# Altium PCB MeasureV3.PcbDoc (continued)
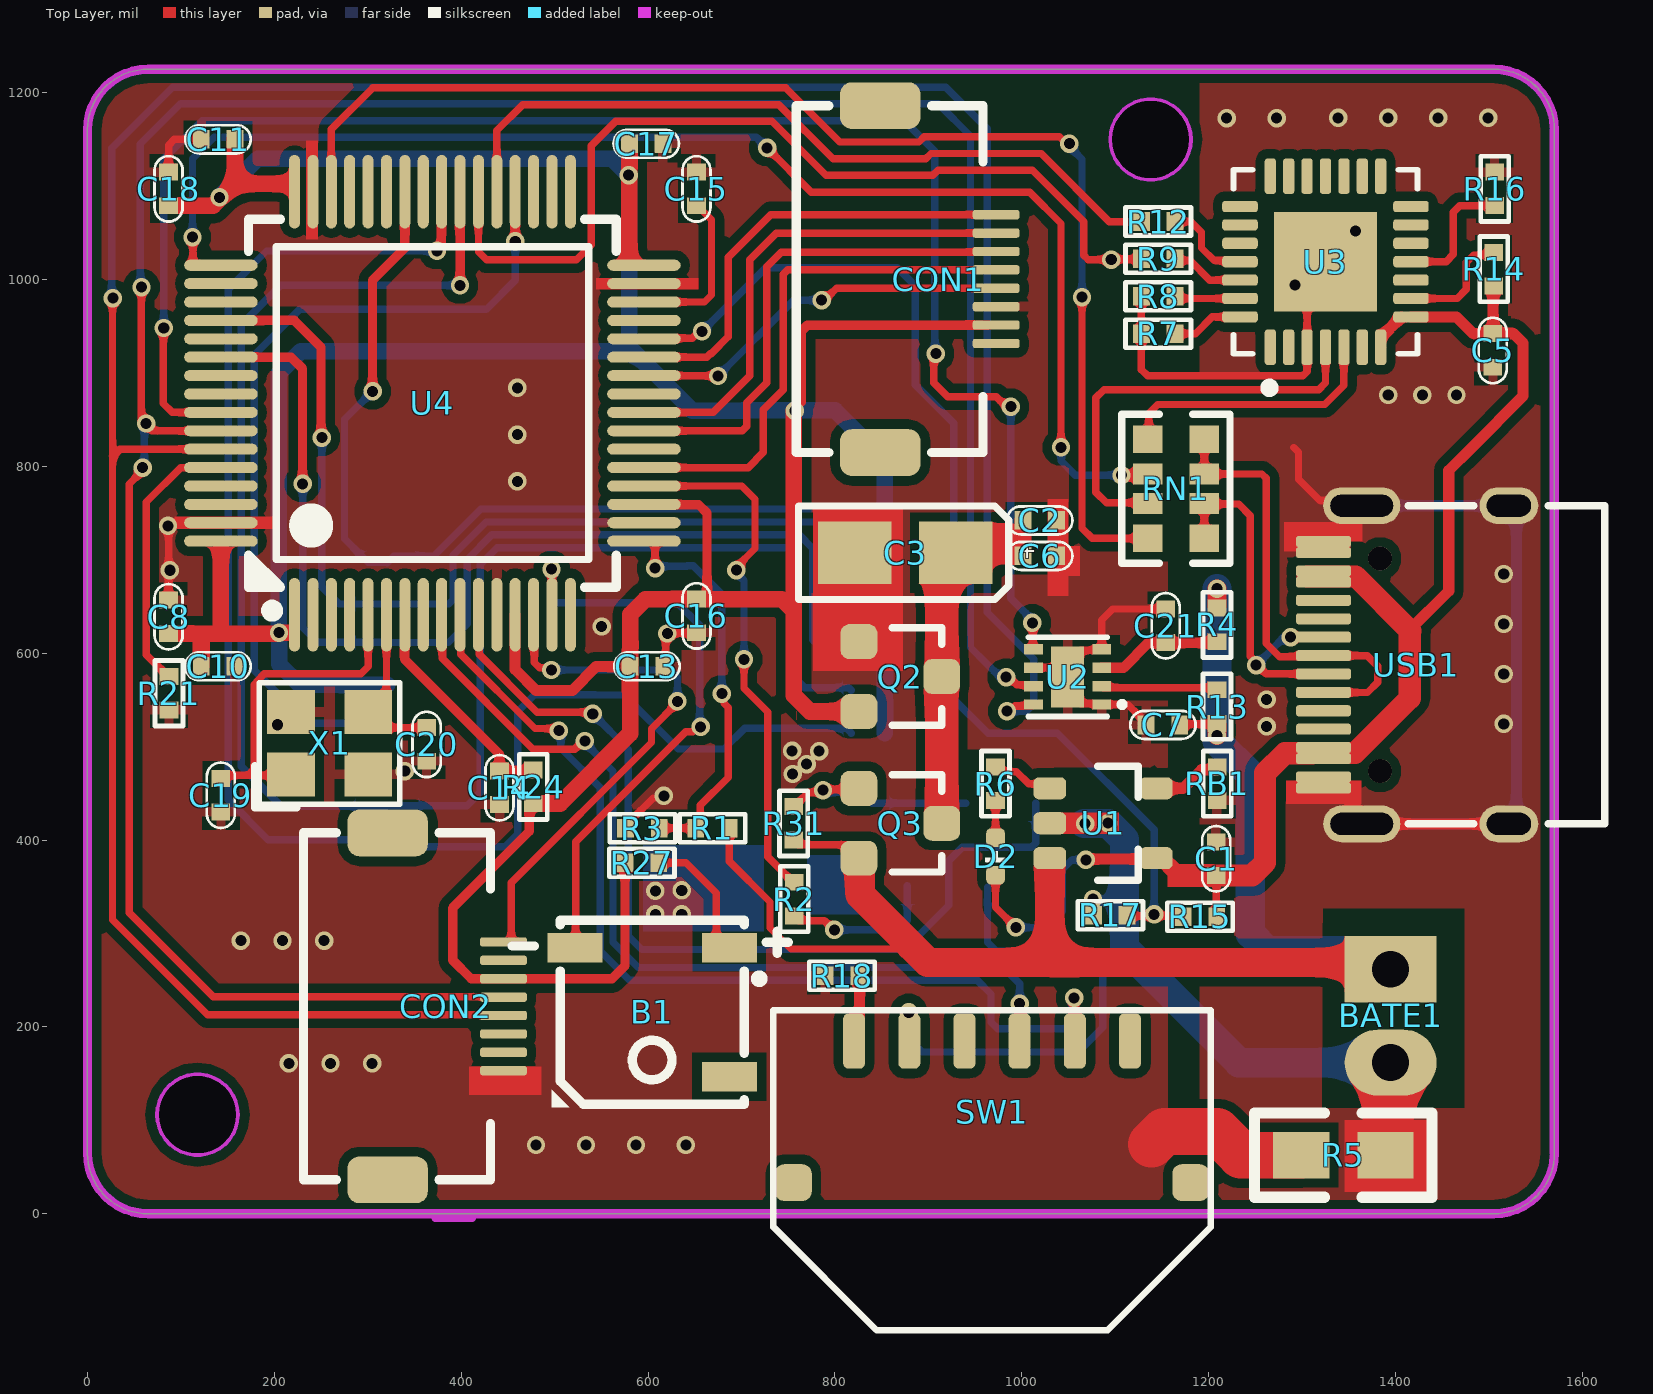
[diagram p0: Top Layer view]
## Footprints (in the part's own frame and the unit in brackets; to place one, negate y for a bottom-side part, rotate by r counter-clockwise, add the part's x,y. Pads: shape width x height; smd on the part's side, far side on the other; paste and mask are expansions set on the pad) (continued)
  rect 110.24x106.3 smd: 29(0,0)
  silkscreen extent -98,-140 98,98, body extent -98,-98 98,98, height 35
SOT23-5_S [mil]
  rrect50% 35x23.62 smd: 1(57,-37.4) 2(57,0) 3(57,37.4) 4(-57,37.4) 5(-57,-37.4)
  silkscreen extent -37,-61 6,61, body extent -54,-57 56,57, height 47
SOT23_ [mm] "Surface mount NPN transistor, package SOT-23"
  rrect50% 0.95x1 smd: 1(-0.95,-1.125) 2(0.95,-1.125) 3(0,1.125)
  silkscreen extent -1.33,-0.22 1.32,1.13, body extent -1.45,-1.4 1.45,1.4, height 1.3
TAJ-A/3216 [mm]
  rect 2x1.7 smd: 1(0.047,0) 2(2.794,0)
  silkscreen extent -1.4,-1.27 4.32,1.27, body extent -0.2,-0.8 3,0.8, height 1.6
TF_Card [mm]
  rrect50% 1.75x0.7 smd: 1(5.4,3.188) 2(5.4,2.088) 3(5.4,0.988) 4(5.4,-0.112) 5(5.4,-1.212) 6(5.4,-2.312) 7(5.4,-3.413) 8(5.4,-4.513)
  rrect50% 1.55x1 smd: 9(-5.4,5.563)
  rrect50% 1x1.45 smd: 10(-3.825,-5.637)
  rrect50% 1.5x1.5 smd: S1(5.275,5.637)
  rrect50% 1.5x1.016 smd: S2(5.275,-5.839)
  rrect50% 1.4x0.8 smd: S3(-2.975,5.963)
  rrect50% 1.5x0.8 smd: S4(-2.325,-5.963)
  silkscreen extent -5.67,-5.99 4.21,5.96, body extent -5.66,-5.96 10.98,6.04, height 1.69
TYPE-C-16P-T [mm]
  round 0.65 hole 0.65: 0(-0.98,-2.89) 0(-0.98,2.89)
  oval 1.6x1 hole 0.6 slot 1.2 at 0 deg: 1(2.52,4.325) 2(2.52,-4.325)
  oval 2.1x1 hole 0.6 slot 1.7 at 0 deg: 3(-1.48,-4.325) 4(-1.48,4.325)
  rrect50% 1.5x0.3 smd: A1(-2.52,-3.35) A4(-2.52,-2.55) A5(-2.52,-1.25) A6(-2.52,-0.25) A7(-2.52,0.25) A8(-2.52,1.25) A9(-2.52,2.55) A12(-2.52,3.35) B1(-2.52,3.05) B4(-2.52,2.25) B5(-2.52,1.75) B6(-2.52,0.75) B7(-2.52,-0.75) B8(-2.52,-1.75) B9(-2.52,-2.25) B12(-2.52,-3.05)
  silkscreen extent -0.22,-4.33 5.12,4.33, body extent -2.78,-4.47 5.12,4.47, height 3.11
WHEEL_SWITCH [mm]
  rrect50% 1x1 smd paste+0 mask+0.102: a(5.401,3.846) ""(-5.401,3.846)
  rrect50% 0.6x1.5 smd paste+0 mask+0.102: b(3.75,0) c(2.25,0) d(0.75,0) e(-0.75,0) f(-2.25,0) g(-3.75,0)
  silkscreen extent -5.94,-0.84 5.94,7.86, body extent -7.21,-0.28 7.21,11.81, height 3
XH2/2.54mm/180 [mm]
  rect 1.8x2.5 hole 1: 1(0,0)
  oval 1.8x2.5 hole 1: 2(2.54,0)

## Part data
B1: "蜂鸣器"
BATE1: library part Battery, "Multicell Battery", LatestRevisionDate=17-Jul-2002, LatestRevisionNote="Re-released for DXP Platform.", PackageReference=BAT-2, Published=24-Mar-1999, Publisher="Altium Limited"
C1 C2 C5: library part Cap, "Capacitor", LatestRevisionDate=17-Jul-2002, LatestRevisionNote="Re-released for DXP Platform.", PackageReference=RAD-0.3, Published=8-Jun-2000, Publisher="Altium Limited"
C3: library part "Cap Pol3", "Polarized Capacitor (Surface Mount)", LatestRevisionDate=29-May-2009, LatestRevisionNote="IPC-7351 Footprint Added.", PackageDescription="Chip Capacitor", PackageReference=C0805, Published=8-Jun-2000, Publisher="Altium Limited"
C6 C7 C8 C10 C11 C13 C14 C15 C16 C17 C18 C19 C20 C21: library part C103
CON1 CON2: "FFC", System=Connector
D2: library part LED0, "Typical INFRARED GaAs LED", LatestRevisionDate=08-Jul-2005, LatestRevisionNote="Mech Layer 1 removed.", PackageReference=LED-0, Published=8-Jun-2000, Publisher="Altium Limited"
D3: BOM_JLCPCB Part Class="Extended Part", BOM_Manufacturer="Slkor(SLKORMICRO Elec.)", BOM_Manufacturer Part=BAT54C, BOM_Supplier=LCSC, BOM_Supplier Part=C556168, Contributor=LCSC, spicePre=D, spiceSymbolName=BAT54C_C556168
J1: "10 _8 + 2_ Position Card Connector Secure Digital - microSDâ„¢ Surface Mount, Right Angle Gold", Package=None, Availability=Unavailable, MF="Amphenol Commercial Products", MP=1140084168, Price=None, SnapEDA_Link=https://www.snapeda.com/parts/1140084168/Amphenol/view-part/4544529/?ref=snap
Q2: library part XC6206_3.3
Q3: library part MOSFET-P, "P-Channel MOSFET", LatestRevisionDate=17-Jul-2002, LatestRevisionNote="Re-released for DXP Platform.", PackageReference=E3, PackageVersion=1995/1996, Published=8-Jun-2000, Publisher="Altium Limited"
Q4: library part N-MOS, "N沟道场效应管"
R1 R3 R6 R7 R8 R9 R12 R14 R15 R16 R17 R18 R21 R27 R31 RB1: library part Res2, "Resistor", LatestRevisionDate=17-Jul-2002, LatestRevisionNote="Re-released for DXP Platform.", PackageReference=AXIAL-0.4, Published=8-Jun-2000, Publisher="Altium Limited"
R2 R4 R5 R13 R24: library part R10K
R10 R11 R25 R28 R29: library part 电阻-0402, "Resistor"
RN1: BOM_JLCPCB Part Class="Extended Part", BOM_Manufacturer=RALEC, BOM_Manufacturer Part=RTA03-4D510JTP, Resistance (Ohms)=51, BOM_Supplier=LCSC, BOM_Supplier Part=C102676, nameAlias=Resistance, spicePre=R, spiceSymbolName=RTA03-4D510JTP
SW1: BOM_JLCPCB Part Class="Extended Part", BOM_Manufacturer="XKB Enterprise", BOM_Manufacturer Part=TM-2103, BOM_Supplier=LCSC, BOM_Supplier Part=C318947, Contributor=LCSC, spicePre=S, spiceSymbolName=TM-2103
U2: BOM_JLCPCB Part Class="Extended Part", BOM_Manufacturer=MAXIM(美信), BOM_Manufacturer Part=MAX17048G+T10, BOM_Supplier=LCSC, BOM_Supplier Part=C2682616, Contributor=LCSC, spicePre=U, spiceSymbolName=MAX17048G+T10
U3: BOM_JLCPCB Part Class="Extended Part", BOM_Manufacturer="SILICON LABS(芯科)", BOM_Manufacturer Part=CP2102N-A02-GQFN28R, BOM_Supplier=LCSC, BOM_Supplier Part=C964632, Contributor=LCSC, spicePre=U, spiceSymbolName=CP2102N-A02-GQFN28R
U4: BOM_JLCPCB Part Class="Extended Part", BOM_Manufacturer=STMicroelectronics, BOM_Manufacturer Part=STM32F411RET6, BOM_Supplier=LCSC, BOM_Supplier Part=C94355, spicePre=U, spiceSymbolName=STM32F411RET6
USB1: BOM_JLCPCB Part Class="Extended Part", BOM_Manufacturer="Shenzhen Kinghelm Elec", BOM_Manufacturer Part=KH-TYPE-C-16P-T, BOM_Supplier=LCSC, BOM_Supplier Part=C709358, Contributor=LCSC, spicePre=U, spiceSymbolName=KH-TYPE-C-16P-T
X1: "4脚无源晶振"

## Via types
v1: diameter 19.68, hole 11.81, Top Layer to Bottom Layer, tented both sides, 52 vias
v2: diameter 19.68, hole 11.81, Top Layer to Bottom Layer, 49 vias

## Nets (pads, with @x,y where several pads share a name; then routed paths per layer and width w, separated by ;. In a path a pad name is that pad's centre, name@x,y a point inside that pad or via, vN(x,y) a via of type N, cw(c..) or ccw(c..) an arc to the next point about the centre after c; other vN are vias at no path point)
BAT: BATE1.1 C7.2 Q3.2 R1.2 R4.1 R13.1 R31.2 U1.3 | length 1723.3
  Top Layer w7.87: R1.2 686.9,377.28 730.47,333.7 730.47,305.93 752.94,283.46 877.56,283.46 881.2,287.11 ; R31.2 760.54,395.08 Q3.2@819.88,395.08 ; Q3.2@821.68,380.51 Q3.2 ; C7.2 1169.83,524.07 R13.1@1208.02,524.07
  Top Layer w20: R13.1@1208.02,524.07 1208.86,523.23 v1(1208.86,512.01) ; R4.1@1208.86,650.79 v1(1208.86,669.09)
  Top Layer w31.5: Q3.2@826.77,380.51 826.77,341.54 881.2,287.11 899.31,269 1029.96,269 ; U1.3@1029.96,376.66 1029.96,269 ; BATE1.1@1396.85,269 1029.96,269
  Bottom Layer w31.5: v1(1208.86,669.09) 1208.86,505.71 1244.49,470.08 1244.49,299.95 1262.94,281.5 1375,281.5 BATE1.1
BAT_V: R1.1 R3.2 U4.17 | length 431.3
  Top Layer w7.87: U4.17 605.66,719.92 607.48,718.1 v2(607.48,690.96) ; R3.2 R1.1 655.96,417.86 655.96,437.26 685.67,466.97 685.67,541.82 681.16,546.33 681.16,554.43 v2(678.9,556.69)
  Bottom Layer w7.87: v2(607.48,690.96) 609.74,693.22 641.66,693.22 641.92,693.48 648.45,693.48 678.9,663.03 v2(678.9,556.69)
BAT_VCC: C2.2 C3.1 C6.1 Q2.3 Q3.3 | length 483.5
  Top Layer w17.72: 999.8,730.12 942.83,730.12 919.21,706.5 921.57,704.13 C6.1 1001.09,730.12 C2.2
  Top Layer w35.43: Q3.3@914.25,423.23 Q2.3 C3.1@914.25,695.47
BEEP: B1.2 U4.15 | length 657.9
  Top Layer w7.87: v1(496.65,689.96) 496.91,689.71 496.91,641.44 U4.15 ; B1.2@522.44,284.65 522.44,398.02 640.17,515.75 647.63,515.75 653.1,521.22 v2(656.3,521.22)
  Bottom Layer w7.87: v1(496.65,689.96) 496.85,689.76 496.85,658.55 501.46,653.94 630.91,653.94 655.12,629.72 655.12,522.4 v2(656.3,521.22)
BLK: CON1.1 U4.27 | length 489.7
  Top Layer w8: U4.27 662.84,916.77 666.66,920.6 667.51,920.6 685.81,938.9 685.81,1023.65 731.45,1069.29 CON1.1
D+: RN1.3 RN1.4 USB1.A6 USB1.B6 | length 431
  Top Layer w7.87: RN1.4 RN1.3 1195.88,759.65 1232.09,759.65 1244.49,747.24 1244.49,596.7 1250.79,590.4 v1(1250.79,587.2) 1252,587.2 1261.31,577.9 1330.5,577.9 USB1.A6@1330.75,577.66 ; v1@1287.64,617.15 1330.63,617.15 USB1.B6@1330.75,617.03
  Bottom Layer w7.87: v1(1250.79,587.2) 1278.49,614.91 1285.35,614.91 v1(1287.61,617.17)
D-: RN1.1 RN1.2 USB1.A7 USB1.B7 | length 484.4
  Top Layer w7.87: RN1.1 RN1.2 1257,791.75 1261.61,787.14 1261.61,610.43 1275.72,596.33 1329.74,596.33 1330.75,597.34 1369.59,597.34 1380.91,586.02 1380.91,568.9 1369.98,557.97 USB1.B7@1330.75,557.97
DC: CON1.5 U4.26 | length 415.9
  Top Layer w7.87: U4.26 595.8,896.87 674.58,896.87 v2(674.8,896.65) ; v1(785.63,977.76) 788.83,977.76 801.62,990.55 CON1.5
  Bottom Layer w7.87: v2(674.8,896.65) 755.91,977.76 v1(785.63,977.76)
FRONT: D3.2 U4.11 | length 1004.2
  Top Layer w7.87: U4.11 419.17,640.44 419.17,598.81 481.08,536.91 538.88,536.91 v1(540.75,535.04)
  Bottom Layer w7.87: v1(540.75,535.04) 578.94,496.85 578.94,297.05 593.11,282.87 874.8,282.87 921.85,329.92 921.85,377.95 936.22,392.32 1010.15,392.32 1014.76,396.94 D3.2
FRONT_E: D3.3 SW1.c | length 509
  Bottom Layer w7.87: v1(878.94,215.55) 878.94,187.8 893.5,173.23 1060.24,173.23 1086.42,199.41 1086.42,262.8 1067.91,281.3 972.64,281.3 963.19,290.75 D3.3@963.19,349.41
GND: C2.1 C3.2 C6.2 C7.1 C8.1 C10.1 C11.1 C13.1 C14.1 C15.1 C16.1 C17.1 C18.1 C19.1 C20.1 C21.2 CON1.6 CON2.8 J1.6 J1.9 J1.10 J1.S1 J1.S2 J1.S3 J1.S4 Q2.1 Q4.2 R3.1 R5.2 R18.2 R21.1 U2.1 U2.4 U2.6 U2.9 U4.12 U4.18 U4.31 U4.47 U4.63 X1.2 X1.4 | length 1012.4
  Top Layer w7.87: C10.1@155.32,588.4 C10.1 ; R3.1 580.99,417.86 580.99,420.57 605.41,444.98 614.67,444.98 v2(616.93,447.24) ; U4.31 644.17,995.51 ; C13.1 618.73,587.88 618.73,619.12 v2(620.67,621.06) 621.06,621.46 651.31,621.46 C16.1 ; C3.2@819.77,708.69 C3.2 835.59,692.87 Q2.1@835.59,613.39 ; U2.6 1039.17,584.45 U2.9 ; C6.2 C2.1 ; C7.1 1127.92,528.29 1127.92,530.35 1113.19,545.08 U2.1 1084.55,546.06 1062.8,546.06 1049.02,559.84 U2.9 ; C21.2 1097.32,647.32 1085.53,635.53 U2.4 1084.55,603.15 1062.8,603.15 1049.02,589.37 U2.9
  Top Layer w8: C8.1 86.79,733.05 93.35,739.61 U4.63 ; C18.1 86.79,1143.68 93.05,1149.94 C11.1
  Top Layer w50: 1138.7,74.48 1152.33,88.11 1209.16,88.11 1234.48,62.8 R5.2
  other v1: 480.05,73.62 533.53,73.62 587.01,73.62 640.49,73.62 607.68,345.67 636.02,346.26
  other v2: 215.55,161.02 260.14,161.02 304.72,161.02 164.17,292.32 208.76,292.32 253.35,292.32 607.68,320.47 636.02,320.47 754.72,470.67 339.57,473.82 769.68,481.3 754.13,495.47 783.07,495.08 203.15,523.43 550.2,628.54 88.19,688.78 86.22,736.22 460.04,783.86 460.04,833.96 460.04,884.06
LED: CON2.1 U4.14 | length 567.2
  Top Layer w7.87: CON2.1@453.54,291.73 453.54,354.4 603.58,504.44 603.58,519.13 631.34,546.89 v2(631.34,548.54) ; U4.14 478.23,640.44 478.23,590.08 484.06,584.24 494.2,584.24 v1(496.46,581.98)
  Bottom Layer w7.87: v1@496.64,581.98 623.66,581.98 631.43,574.21 631.43,548.63 v2(631.34,548.54)
LOW_POWER: U2.5 U4.57 | length 1795.7
  Top Layer w7.87: v1(908.05,920.67) 905.79,918.41 905.79,914.06 905.58,913.85 905.58,889.41 920.56,874.44 972.48,874.44 983.14,863.78 v1(988.21,863.78) ; v1(1011.22,632.48) 1011.86,631.84 1011.86,604.77 U2.5
  Top Layer w8: v1(81.63,948.03) 81.17,947.57 81.17,867.25 90.7,857.72 U4.57
  Bottom Layer w7.87: v1(988.21,863.78) 988.21,658.68 1011.22,635.68 v1(1011.22,632.48)
  Bottom Layer w8: v1(81.63,948.03) 81.63,1129.07 122.57,1170.02 874.08,1170.02 906.89,1137.2 906.89,921.83 v1(908.05,920.67)
MID: SW1.e U4.9 | length 992.5
  Top Layer w7.87: U4.9 379.8,640.44 379.8,594.41 476.87,497.35 521.64,497.35 530.3,506.01 v1(532.33,506.01) ; SW1.e@997.64,178.54 v1(997.64,225)
  Bottom Layer w7.87: v1(532.33,506.01) 532.33,503.98 562.5,473.82 562.5,290.65 589.46,263.69 980.21,263.69 997.64,246.26 v1(997.64,225)
MOSI: CON1.3 U4.23 | length 543.8
  Top Layer w8: U4.23 700.74,838.03 705.43,842.72 705.43,868.1 726.86,889.53 726.86,1013.49 742.61,1029.24 971.75,1029.24 CON1.3
NetB1_1: B1.1 R27.2 | length 140.9
  Top Layer w7.87: R27.2 640.55,375.79 673.02,343.32 673.02,296.46 684.83,284.65 B1.1
NetC15_2: C15.2 U4.30 | length 178.2
  Top Layer w7.87: U4.30 660.31,975.83 667.87,983.4 667.87,1063.85 652.79,1078.94 C15.2
NetC19_2: C19.2 U4.5 X1.1 | length 359.8
  Top Layer w7.87: C19.2 145.89,469.2 178.19,469.2 ; X1.1 216.84,469.2 178.19,469.2 ; U4.5 300.31,585.74 292.72,578.15 189.37,578.15 180.91,569.68 180.91,569.12 178.19,566.4 178.19,469.2
NetC20_2: C20.2 U4.6 X1.3 | length 182.9
  Top Layer w7.87: U4.6@320.75,640.44 U4.6 320,556.61 X1.3 317.04,520.36 C20.2
NetC21_1: C21.1 R4.2 U2.3 | length 136
  Top Layer w7.87: C21.1@1152.07,611.02 1152.36,611.32 C21.1@1152.86,611.82 ; R4.2@1208.36,611.82 R4.2
  Top Layer w11: U2.3@1085.54,584.46 1108.87,584.46 1135.43,611.02 1152.07,611.02 R4.2@1208.66,611.02
NetD2_2: D2.2 R6.2 | length 39.9
  Top Layer w7.87: D2.2 R6.2
NetD3_1: D3.1 Q3.1 Q4.3 R31.1 | length 236.4
  Top Layer w7.87: R31.1 756.71,435.91 771.88,451.09 784.94,451.09 788.19,454.33 824.61,454.33 Q3.1
  Bottom Layer w7.87: v1(787.2,453.35) 789.46,451.09 828.44,451.09 Q4.3 D3.1
NetQ4_1: Q4.1 R2.1 | length 168.4
  Top Layer w7.87: R2.1 761.33,313.78 788.69,313.78 798.53,303.94 v1(799.41,303.94)
  Bottom Layer w7.87: v1(799.41,303.94) 867.32,303.94 877.36,313.98 Q4.1
NetR6_1: R6.1 U1.1 | length 50.2
  Top Layer w7.87: R6.1 976.9,473.27 994.25,473.27 1007.28,460.24 U1.1@1014.56,460.24
NetR7_2: R7.2 U3.28 | length 76.9
  Top Layer w7.87: R7.2 1185.9,942 1203.84,959.94 U3.28
NetR8_2: R8.2 U3.27 | length 70.5
  Top Layer w7.87: R8.2 1166.33,979.63 U3.27
NetR9_1: R9.1 U3.26 | length 78.9
  Top Layer w7.87: R9.1 1165.73,1020.23 1180.16,1020.23 1201.08,999.32 U3.26
NetR12_1: R12.1 U3.25 | length 97.1
  Top Layer w7.87: R12.1 1180.72,1062 1192.32,1050.39 1192.32,1033.66 1205.79,1020.19 1232.27,1020.19 U3.25
NetR13_2: R13.2 U2.2 | length 124.9
  Top Layer w7.87: U2.2 1087.11,563.19 1206.58,563.19 R13.2
NetR14_2: R14.2 U3.9 | length 126
  Top Layer w7.87: U3.9 1466.05,979.63 1475.79,989.37 1475.79,1018.5 1483.46,1026.18 1502.14,1026.18 R14.2
NetR16_1: R16.1 U3.11 | length 140.9
  Top Layer w7.87: U3.11 1454.04,1019 1461.81,1026.77 1461.81,1072.05 1468.76,1079 R16.1
NetR18_1: R18.1 SW1.b | length 71.7
  Top Layer w11.81: SW1.b@820.47,178.54 826.38,184.45 R18.1@826.38,247.83
NetR21_2: R21.2 U4.60 | length 292.7
  Top Layer w8: R21.2 86.2,575.09 62.79,598.5 62.79,761.8 99.65,798.66 U4.60
NetRB1_2: RB1.2 U1.5 | length 74.8
  Top Layer w11.81: U1.5 1172.36,455.4 1192.2,475.24 1205.2,475.24 RB1.2@1208.96,479
nRST: C14.2 R24.1 U4.7 | length 245.6
  Top Layer w10: U4.7@339.37,640.88 339.37,593.5 440.79,492.08 440.79,474.09 C14.2 441.44,474.44 476.56,474.44 R24.1
REAR: SW1.f U4.10 | length 1075
  Top Layer w7.87: U4.10 399.49,640.44 399.49,598.87 478.98,519.39 502.27,519.39 v1(504.53,517.13) ; v1(1055.91,231.1) 1056.3,230.71 1056.3,178.94 SW1.f@1056.69,178.54
  Bottom Layer w7.87: v1(504.53,517.13) 506.79,514.87 506.79,497.93 548.62,456.1 548.62,281.3 580.11,249.81 952.35,249.81 966.93,235.24 966.93,205.12 974.02,198.03 1045.67,198.03 1054.18,206.54 1054.18,229.37 v1(1055.91,231.1)
RES: CON1.2 U4.24 | length 529.1
  Top Layer w8: U4.24 669.59,857.72 708.86,896.99 708.86,1021.24 737.23,1049.61 CON1.2
SCK: CON1.4 U4.21 | length 563.6
  Top Layer w8: U4.21 707.13,798.66 723.43,814.96 723.43,860.65 744.86,882.08 744.86,1005.55 749.54,1010.24 CON1.4
SCL: CON2.4 U2.7 U4.58 | length 2907.4
  Top Layer w8: v2(57.79,991.73) 57.79,848.94 68.69,838.03 U4.58 ; v2(59.06,798.51) 59.06,795.35 44.79,781.08 44.79,322.29 134.59,232.48 CON2.4@445.3,232.48 ; v1(983.26,574.34) 986.42,574.34 994.48,566.28 1006.56,566.28 1008.07,564.76 U2.7
  Bottom Layer w7.87: v2(57.79,991.73) 56.59,992.93 56.59,1144.98 99.57,1187.95 910.67,1187.95 945.08,1153.54 945.08,606.06 961.9,589.23 974.53,576.6 981,576.6 v1(983.26,574.34)
  Bottom Layer w8: v2(59.06,798.51) 60.93,800.38 60.93,844 v2(62.8,845.87)
SD_CK: J1.5 U4.36 | length 911.6
  Top Layer w10: v1@457.81,1040.86 U4.36
  Bottom Layer w7.87: J1.5 318.47,525 235.2,525 178.35,581.86 178.35,919.09 227.36,968.11 426.97,968.11 457.83,998.97 v1(457.83,1040.84)
SD_CMD: J1.3 R25.2 U4.54 | length 1160.1
  Top Layer w10: U4.54 217.87,916.77 230.05,904.6 230.05,781.57 v1(230.32,781.3)
  Bottom Layer w7.87: v1(230.32,781.3) 230.32,627.56 246.26,611.61 318.47,611.61 J1.3 322.65,611.37 386.37,611.37 406.3,631.3 406.3,700.33 432.56,726.58 761.8,726.58 776.28,712.11 776.28,614.07 783.76,606.59 R25.2
SD_D0: J1.7 R10.2 U4.39 | length 1893.1
  Top Layer w10: v1(398.64,993.7) 398.78,993.84 U4.39 U4.39
  Bottom Layer w7.87: v1(398.64,993.7) 206.69,993.7 164.47,951.48 164.47,479.03 207.33,436.17 J1.7 321.32,436.81 406.17,436.81 420.47,451.12 420.47,694.88 438.3,712.71 750.68,712.71 760.24,703.15 760.24,570.67 767.77,563.14 814.78,563.14 R10.2
SD_D1: J1.8 R11.2 U4.40 | length 1716.6
  Top Layer w10: v2@378.7,1029.88 378.7,1093.59 U4.40
  Bottom Layer w7.87: v2(374.02,1030.51) 191.54,1030.51 150.6,989.57 150.6,443.1 193.22,400.48 313.07,400.48 J1.8 447.2,392.87 460.43,406.1 460.43,537.6 478.15,555.32 526.85,555.32 527.04,555.51 543.43,555.51 543.62,555.32 573.23,555.32 ; 575,554.53 632.09,497.44 681.3,497.44 703.54,519.68 812.37,519.68 817.43,514.62 R11.2
SD_D2: J1.1 R28.2 U4.42 | length 1022.4
  Top Layer w10: v1(305.12,880.32) 305.12,999.02 339.68,1033.57 U4.42
  Bottom Layer w7.87: v1(305.12,880.32) 275,850.2 275,722.63 300.29,697.34 J1.1@320.69,697.34 ; J1.1@320.69,696.85 327.87,704.04 370.77,704.04 421.06,754.33 803.94,754.33 817.43,740.83 R28.2
SD_D3: J1.2 R29.2 U4.52 | length 1090.1
  Top Layer w10: U4.52 221.22,956.14 250,927.36 250,831.6 v1(250.89,830.71)
  Bottom Layer w7.87: v1(250.89,830.71) 250.89,671.16 269.34,652.71 386.53,652.71 391.14,657.32 391.14,704.79 426.81,740.46 780.02,740.46 790.15,730.32 790.15,662.41 799.85,652.71 R29.2
SDA: CON2.5 U2.8 U4.59 | length 3088.7
  Top Layer w8: v2(27.17,979.92) 26.79,979.54 26.79,810.53 ; U4.59 34.61,818.35 26.79,810.53 ; CON2.5@445.3,212.8 128.82,212.8 26.79,314.83 26.79,810.53 ; v1(984.06,537.99) 987.22,537.99 992.79,543.57 1010.99,543.57 U2.8
  Bottom Layer w7.87: v2(27.17,979.92) 25.79,981.3 25.79,1140.55 91.06,1205.83 918.58,1205.83 962.95,1161.46 962.95,643.54 1012.8,593.7 1012.8,545.87 1004.92,537.99 v1(984.06,537.99)
SWCLK: RN1.7 U4.49 | length 1473.2
  Top Layer w7.87: v2(112.4,1045.28) 112.85,1044.82 112.85,1017.02 114.67,1015.2 U4.49 ; v2(727.36,1140.75) 774.65,1093.46 1008.31,1093.46 1041.93,1059.84 v1(1041.93,820.28)
  Top Layer w11.81: v1@1107.48,790.16 1133.06,790.16 RN1.7
  Bottom Layer w7.87: v2(112.4,1045.28) 112.4,1129.13 135.35,1152.08 716.03,1152.08 v2(727.36,1140.75) ; v1(1041.93,820.28) 1042.18,820.02 1042.18,805.65 1057.28,790.55 v1(1106.69,790.55)
SWDIO: RN1.5 U4.46 | length 1396.1
  Top Layer w7.87: U4.46 260.94,1160.76 305.14,1204.96 747.33,1204.96 805.21,1147.09 889.88,1147.09 895.38,1152.58 1040.28,1152.58 1047.59,1145.28 v2(1050.79,1145.28) ; v1(1064.37,981.1) 1064.37,733.86 1075.38,722.85 RN1.5
  Bottom Layer w7.87: v2(1050.79,1145.28) 1050.79,1142.08 1064.37,1128.5 v1(1064.37,981.1)
USART6_RX: R9.2 U4.38 | length 988.4
  Top Layer w7.87: U4.38 418.42,1029.61 426.97,1021.06 523.43,1021.06 539.17,1036.81 539.17,1143.13 565.26,1169.21 732.53,1169.21 790.4,1111.34 904.69,1111.34 910.19,1116.83 1011.32,1116.83 1066.14,1062.01 1066.14,1025.87 1070.75,1021.26 v1(1095.67,1021.26) 1096.04,1021.63 1127.59,1021.63 R9.2
USART6_TX: R12.2 U4.37 | length 824.1
  Top Layer w7.87: U4.37 438.11,1159.37 465.83,1187.09 739.93,1187.09 797.8,1129.21 897.29,1129.21 902.78,1134.71 1020.61,1134.71 1093.7,1061.61 R12.2@1128.74,1061.61
USB_DM: RN1.8 U3.5 | length 290
  Top Layer w7.87: RN1.8 1135.83,830.33 1135.83,856.5 1145.54,866.21 1324.29,866.21 1344.65,886.57 U3.5
USB_DP: RN1.6 U3.4 | length 451.4
  Top Layer w7.87: RN1.6@1134.45,761.02 1090.55,761.02 1079.23,772.35 1079.23,873.32 1087.99,882.09 1317.72,882.09 1324.96,889.33 U3.4
USB_GND: BATE1.2 C1.2 C5.2 R5.1 R7.1 R8.1 R16.2 R17.1 RB1.1 U1.2 U3.3 U3.29 USB1.1 USB1.2 USB1.3 USB1.4 USB1.A1 USB1.A12 USB1.B1 USB1.B12 | length 2055.7
  Top Layer w7.87: R8.1 R7.1 1127.96,903.54 1134.65,896.85 1300.66,896.85 1305.28,901.46 U3.3 1305.28,999.31 U3.29 ; 1291.06,820.08 1296.12,815.02 1296.12,786.17 1318.87,763.41 1358.24,763.41 USB1.4 ; USB1.3 1365.46,417.32 USB1.3@1380.01,402.77
  Top Layer w11.81: C1.2@1206.96,398 C1.2 ; RB1.1@1207.96,442.33 RB1.1 ; USB1.A1@1330.75,455.61 1353.68,455.61 1353.68,429.96 1366.41,417.22 1529.17,417.22 USB1.2@1524.82,417.22
  Top Layer w50: R5.1 1391.85,62.8 1391.85,158.98 BATE1.2 BATE1.2@1395.59,160.91
  Bottom Layer w10: v2(1076.18,336.81) 1077.76,335.24 1109.84,335.24
  Bottom Layer w11.81: USB1.3@1371.69,417.22 1529.17,417.22 1529.17,757.78 USB1.4@1371.69,757.78
  Bottom Layer w31.5: v2@1066.73,417.72 1092.72,417.72 1109.84,400.59 1109.84,335.24 1109.84,284.25 1232.28,161.81 BATE1.2
  other v1: 1515.75,524.28 1515.75,577.76 1515.75,631.23 1515.75,684.71 1465.16,876.38 1292.32,994.09 1357.28,1051.97 1219.16,1172.64 1272.64,1172.64 1338.52,1172.83 1391.99,1172.83 1445.47,1172.83 1498.95,1172.83
  other v2: 1067.72,417.52 1092.32,418.11 1262.01,521.65 1262.01,550.39 1392.13,876.38 1428.64,876.38
USB_PWR: R15.1 R17.2 U4.28 | length 1215
  Top Layer w7.87: U4.28 630.11,936.46 630.86,937.22 647.21,937.22 654.43,944.44 v2(657.63,944.44) ; R17.2 1113.57,318.8 1171.67,318.8 R15.1 R15.1@1170.78,316.14
  Bottom Layer w7.87: v2(657.63,944.44) 657.84,944.44 725.8,1012.4 866.54,1012.4 885.83,993.11 885.83,887.4 927.2,846.02 927.2,550.75 963.74,514.21 1038.2,514.21 1141.54,410.88 v2(1141.54,320.47)
USB_VCC: C1.1 C5.1 D2.1 R14.1 R15.2 U1.4 U3.7 U3.8 USB1.A4 USB1.A9 USB1.B4 USB1.B9 | length 1515.4
  Top Layer w7.87: D2.1@967.87,363.32 D2.1@968.52,363.98 ; D2.1 971.85,328.15 v1(993.5,306.5) ; 1260.24,394.09 1265.07,389.26 1265.07,375.84 ; 1480.51,819.29 1482.09,820.87
  Top Layer w8: C1.1 1208.26,361.7 1208.26,318.21 R15.2
  Top Layer w11.81: v1(1068.5,378.74) 1069.43,379.67 1143.03,379.67 U1.4 ; U3.7 1384.02,937.76 U3.8@1406.3,960.04 ; 1414.96,624.8 1456.89,666.73 1456.89,795.67 1480.51,819.29 ; U3.8 1465.06,959.94 1483,942 C5.1 ; 1482.09,820.87 1536.42,875.2 1536.42,931.75 1526.04,942.13 1504.09,942.13 1504.46,942.5 1504.46,992.5 R14.1
  Top Layer w17.72: U1.4 1149.65,380.6 1164.57,365.68 1164.57,365.55 1168.01,362.11 1181,362.11 ; 1181.1,362.2 1181.3,362.2
  Top Layer w23.62: 1181,362.11 1181.1,362.2 1207.76,362.2 C1.1 1246.4,362 1260.24,375.84 1260.24,394.09 1260.24,471.65 1281.5,492.91 USB1.A4@1310.63,492.91 ; USB1.A9@1305.91,682.28 1357.28,682.28 1416.04,623.52 ; USB1.A4@1330.96,493 1356.39,493 1415.16,551.77 1415.16,619.29
  Bottom Layer w7.87: v1(993.5,306.5) 1025.98,306.5 1043.31,323.82 1043.31,368.7 1053.35,378.74 v1(1068.5,378.74)
VCC_3.3V: C8.2 C10.2 C11.2 C13.2 C16.2 C17.2 C18.2 CON1.7 CON2.3 J1.4 Q2.2 R10.1 R11.1 R24.2 R25.1 R27.1 R28.1 R29.1 U4.1 U4.13 U4.19 U4.32 U4.48 U4.64 | length 4663
  Top Layer w9.84: U4.19 595.96,758.92 654.08,758.92 662.99,750 662.99,657.94
  Top Layer w10: R24.2 476.89,438.94 472.89,434.94 472.89,409.31 390.75,327.17 390.75,271.65 410.83,251.57 CON2.3 561.42,251.57 575.31,265.46 R27.1 ; 755.91,645.08 756.1,644.88 ; v2(757.09,859.45) 757.09,862.07 763.86,868.84 763.86,944.37 770.6,951.11 CON1.7@963.91,951.11
  Top Layer w11.81: U4.13 457.79,582.6 480.15,560.24 518.9,560.24 544.22,585.56 C13.2@580.79,585.56
  Top Layer w17.72: C8.2 118.24,620.94 ; C18.2 86.93,1079.08 134.5,1079.08 157.79,1102.36 ; C10.2 121.79,617.39 120.96,618.21 118.24,620.94 ; U4.64@142.83,715.55 142.83,622.04 141.73,620.94 ; C11.2 157.79,1102.36 ; v2@203.28,620.94 141.73,620.94 ; v2(204.92,622.05) 215.55,622.05 ; U4.48@218.11,1102.36 157.79,1102.36 ; R24.2 477.2,439.08 505.99,439.08 580.79,513.88 C13.2 ; v1(579.17,1111.57) 579.17,1112.1 579.89,1112.82 579.89,1145.13 C17.2 ; U4.32@579.92,1020.47 579.92,1129.28 ; C13.2@580.79,585.56 580.93,585.7 580.93,641.56 597.17,657.8 651.65,657.8 C16.2 ; 662.99,657.94 743.05,657.94 755.91,645.08 ; v2@756.1,859.65 756.1,644.88 756.1,554.72 773.23,537.6 Q2.2@824.95,537.6 ; 118.24,620.94 141.73,620.94
  Bottom Layer w17.72: v2@142.32,1089.37 182.24,1129.28 561.45,1129.28 v1(579.17,1111.57) ; v2(204.92,622.05) 205.3,621.67 205.3,588.21 227.41,566.09 J1.4 ; v2@204.92,622.96 204.92,899.8 228.35,923.23 583.66,923.23 ; v1@579.92,1111.57 579.92,926.97 583.66,923.23 ; R11.1 R10.1 R25.1 R29.1 853.43,806.8 800.18,860.06 755.69,860.06 755.32,860.43 754.94,860.06 701.23,860.06 700.62,859.45 647.44,859.45 583.66,923.23
  other v2: 141.34,1087.8
VDD_ON: R2.2 U4.20 | length 569.1
  Top Layer w7.87: U4.20 700.15,778.98 714.37,764.76 714.37,712.01 694.49,692.13 v2(694.49,688.93) ; v2(702.68,593.31) 702.68,562.48 728.04,537.11 728.04,382.07 755.3,354.81 R2.2
  Bottom Layer w7.87: v2(694.49,688.93) 694.49,685.73 702.68,677.54 v2(702.68,593.31)
pads on no net: B1.3 CON1.0 CON1.8 CON2.0 CON2.2 CON2.6 CON2.7 SW1. SW1.a SW1.d SW1.g U3.1 U3.2 U3.6 U3.10 U3.12 U3.13 U3.14 U3.15 U3.16 U3.17 U3.18 U3.19 U3.20 U3.21 U3.22 U3.23 U3.24 U4.2 U4.3 U4.4 U4.8 U4.16 U4.22 U4.25 U4.29 U4.33 U4.34 U4.35 U4.41 U4.43 U4.44 U4.45 U4.50 U4.51 U4.53 U4.55 U4.56 U4.61 U4.62 USB1.0 USB1.A5 USB1.A8 USB1.B5 USB1.B8

## Polygon pours and split planes (outlines as drawn)
GND on Bottom Layer "GND_L02_P001" (solid, remove dead copper, pour order 1): 1.5,1226.7 -0.59,1224.61 -0.59,0 1168.7,0 1168.7,1225.38
USB_GND on Bottom Layer "USB_GND_L02_P002" (solid, remove dead copper, pour order 2): 1211.74,1231.22 1209.65,1229.13 1209.65,4.53 1569.96,4.53 1569.96,1230.82
GND on Top Layer "GND_L01_P000" (solid, remove dead copper, pour order 0): -0.2,1230.6 -0.2,-0.2 1156.1,0 1156.1,1230.6
USB_GND on Top Layer "USB_GND_L01_P003" (solid, remove dead copper, pour order 3): 1190.61,1230.63 1190.22,1230.24 1190.22,3.66 1569.96,3.66 1569.96,1230.5

## Keep-outs
Keep-Out Layer:
  circle w3.94: c117.72,106.1 r43.31
  circle w3.94: c1137.8,1149.8 r43.31
  lines w7.87: 372.24,-4.72 411.61,-4.72
  lines w10: -0.04,65 ccw(c64.96,65) 64.96,0 1504.96,0 ccw(c1504.96,65) 1569.96,65 1569.96,1160 ccw(c1504.96,1160) 1504.96,1225 64.96,1225 ccw(c64.96,1160) -0.04,1160 -0.04,65

## Other copper
Top Layer:
  rectangle net GND: 1047.64,682.48 1062.01,714.96
  rectangle net GND: 1027.56,661.42 1050,764.96
  rectangle net GND: 93.31,732.87 198.03,746.46
  rectangle net USB_GND: 1345.28,23.23 1437.6,100.39
  rectangle net GND: 408.07,127.36 485.83,157.87
  rectangle net GND: 776.38,580.71 872.64,760.43
  rectangle net GND: 234.06,1042.52 246.85,1148.62
  rectangle net GND: 544.09,989.17 653.94,1001.57
  rectangle net USB_GND: 1282.48,438.39 1363.39,463.98
  rectangle net USB_GND: 1350.2,719.68 1364.76,738.98
  rectangle net USB_GND: 1280.51,709.06 1351.77,740.55
  rectangle net GND: 787.2,592.91 864.96,755.91
  rectangle net USB_GND: 1040.75,406.69 1103.74,429.72
  rectangle net BAT_VCC: 956.5,708.07 998.43,726.18
  rectangle net USB_VCC: 1155.71,349.8 1206.3,374.41
  pour cut-out: 954.13,497.44 938.98,497.44 938.58,497.83 938.19,497.44 938.19,391.73 954.13,391.73
  pour cut-out: 1036.22,473.23 1037.8,471.65 1144.88,471.65 1144.88,477.56 1141.73,480.71 1138.58,477.56 1034.06,477.56
  pour cut-out: 1321.85,326.57 1322.44,327.17 1474.21,327.17 1474.21,112.99 1320.75,112.99
Bottom Layer:
  rectangle net GND: 594.49,301.97 723.82,394.88
  rectangle net USB_GND: 1057.28,407.28 1103.15,428.54
  rectangle net GND: 770.08,320.28 839.76,384.06
  pour cut-out: 858.86,504.13 858.86,467.52 859.06,467.32 869.49,467.32 869.49,502.36 867.32,504.53
  pour cut-out: 88.58,972.44 89.17,973.03 142.91,973.03 142.91,957.48 90.94,957.48
  pour cut-out: 1321.65,326.57 1322.24,327.17 1474.02,327.17 1474.02,112.99 1320.55,112.99

## Text inside footprints (layer, text, board x,y; h text height)
C3: Top Overlay "+" at 1015.98,722.48 h30 r180